# KiCad board rcbus-ymf262-panel.kicad_pcb (continued)
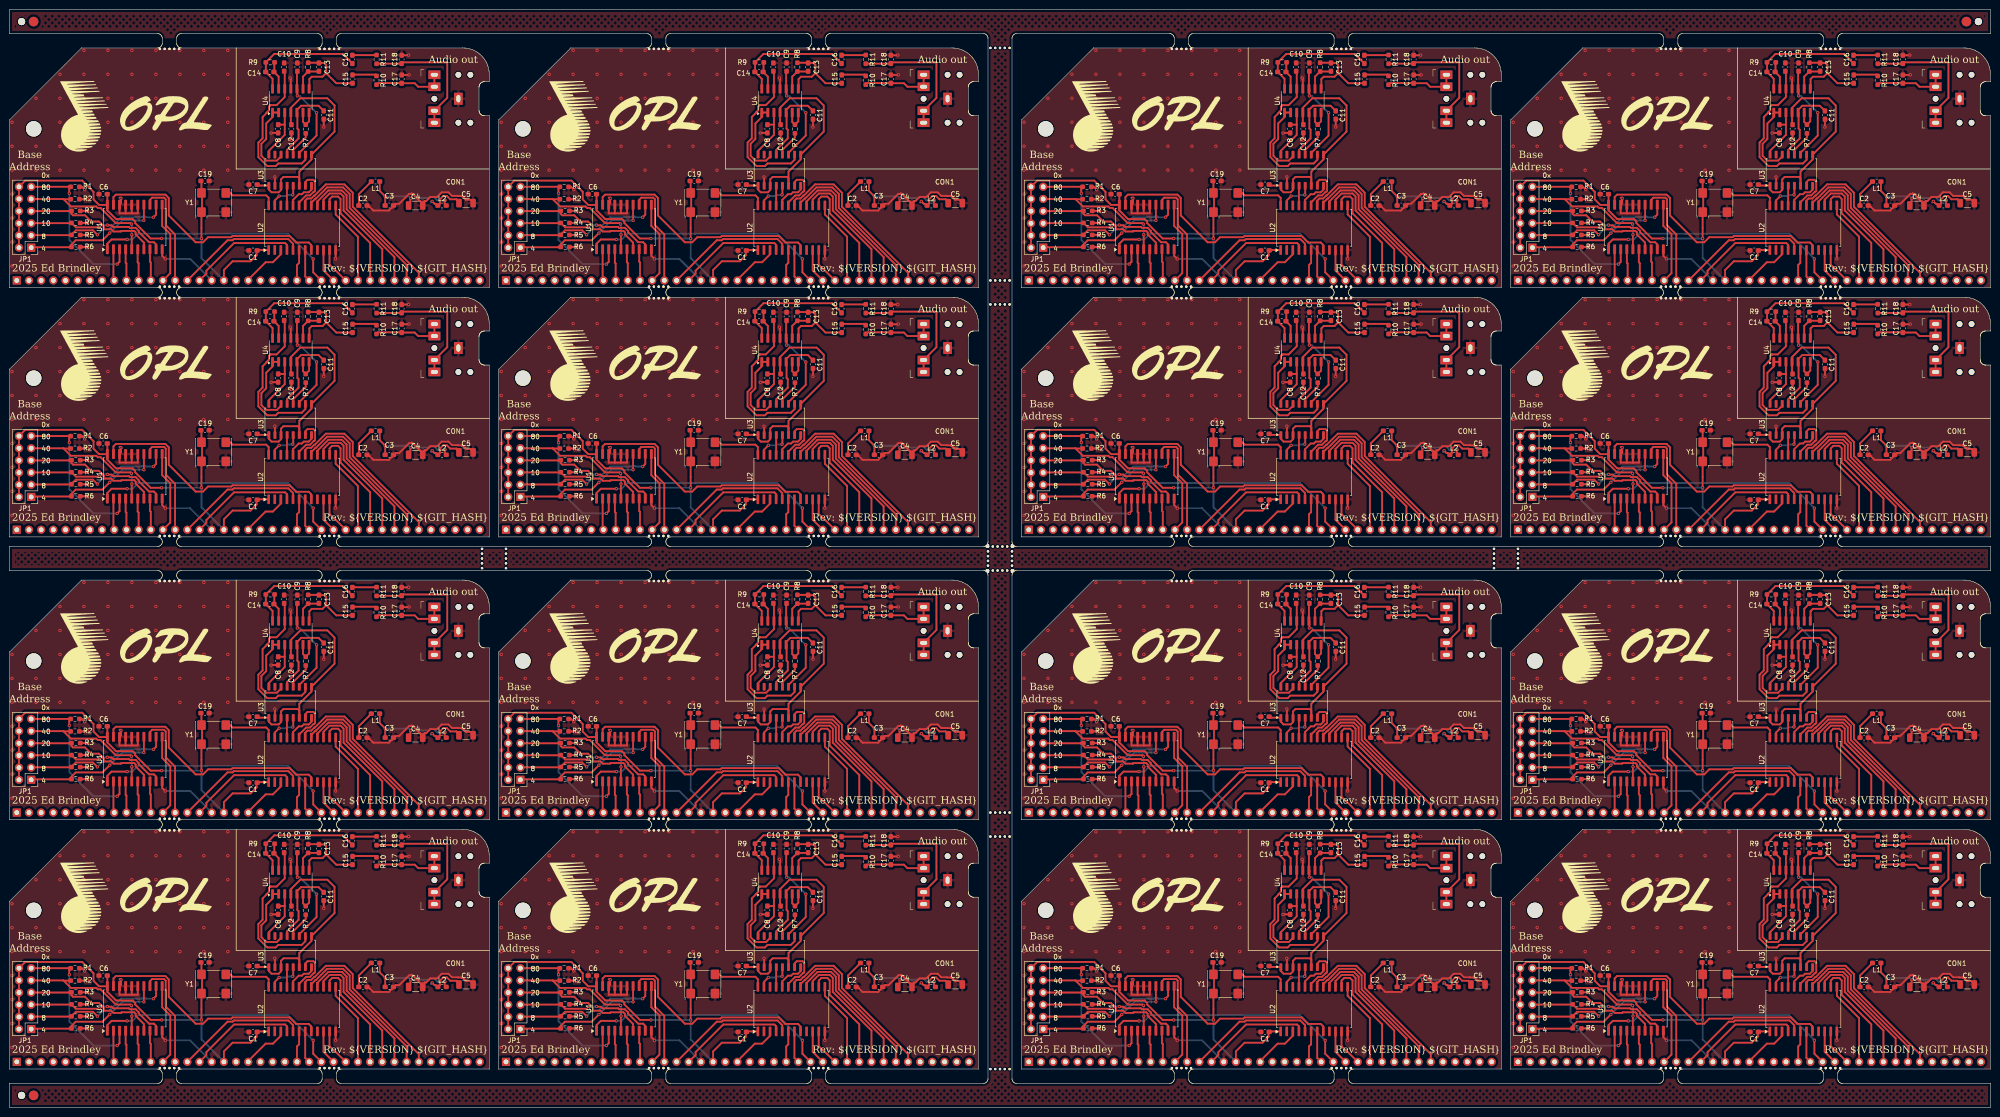
[diagram p0: board, top side]
## Routing (per net, layer and track width the routed paths; a pad name or vN(x,y) marks a point on that pad's centre or on a via; arc(x,y) is an arc through that point) (continued)
Board_13-/AUDIO_CH2: length 20.9
  Front w0.381: v1(166,44.5) 166,39.72 162.4,36.13 U3#8.11 ; C9#10.1 161.91,53.05 U4#8.10 162,49.38 v1(162,48)
  Back w0.381: v1(166,44.5) 162.5,48 v1(162,48)
Board_13-/CLK: length 10.9
  Front w0.381: 147.38,28.35 148.48,27.25 155.5,27.25 156.01,26.74 U2#2.24
Board_13-/D0: length 7.2
  Front w0.381: U2#2.10 167.45,11.6 P1#8.27
Board_13-/D1: length 7.8
  Front w0.381: 168.7,15.84 168.7,12.79 169.67,11.81 169.77,11.81 P1#8.28
Board_13-/D2: length 17.6
  Front w0.381: P1#8.29 174.62,18.63 169.99,23.27 U2#2.13
Board_13-/D3: length 23.6
  Front w0.381: U2#2.14 168.72,26.47 169.25,27 170.5,27 171,26.5 171,23.5 177.16,17.34 P1#8.30
Board_13-/D4: length 27
  Front w0.381: P1#8.31 179.7,16.03 171.63,24.1 171.63,27.01 171.01,27.64 168.73,27.64 167.45,26.35 U2#2.15
Board_13-/D5: length 30.2
  Front w0.381: U2#2.16 166.17,25.98 168.46,28.27 171.28,28.27 172.27,27.28 172.27,24.36 182.24,14.39 P1#8.32
Board_13-/D6: length 33.4
  Front w0.381: U2#2.17 164.9,25.71 165.79,26.6 165.89,26.6 168.2,28.91 171.54,28.91 172.91,27.54 172.91,24.62 184.78,12.75 P1#8.33
Board_13-/D7: length 37
  Front w0.381: P1#8.34 187.32,11.11 173.54,24.89 173.54,27.8 171.8,29.54 167.94,29.54 165.63,27.23 165.52,27.23 164.89,26.6 164.08,26.6 163.63,26.15 U2#2.18
Board_13-/DAC_CLK: length 7.2
  Front w0.381: v1(158.2,27.1) 157.28,26.19 U2#2.23 ; v1(161.04,27.36) 161.13,27.45 U3#8.5
  Back w0.381: v1(158.2,27.1) 159.73,27.1 159.93,27.3 160.98,27.3 v1(161.04,27.36)
Board_13-/DOAB: length 4.1
  Front w0.381: U3#8.4 159.83,29.21 U2#2.21
Board_13-/L: length 18.1
  Front w0.381: 168,52.75 168,54.5 167.64,54.86 C13#15.1 166.45,54.91 R8#6.2 ; 168,52.75 170.11,50.64 C15#4.1 ; 168,52.75 167.25,52 165,52 164.5,51.5 164.5,49.53 U4#8.8
Board_13-/R: length 25.7
  Front w0.381: U4#8.14 156.83,51.56 C14#16.2 155.42,53.04 R9#9.2 157.17,56.75 171.46,56.75 C16#2.1
Board_13-/SMPAC: length 6.7
  Front w0.381: U2#2.20 161.1,26.3 162.28,27.49 162.94,27.49 163.34,27.89 164.38,27.89 164.95,28.45 U3#8.8
Board_13-/SMPBD: length 10.1
  Front w0.381: U3#8.7 163.67,30.05 164.12,30.5 165.35,30.5 165.69,30.15 165.69,28.2 165.5,28 165.4,28 164.63,27.23 163.82,27.23 162.37,25.78 U2#2.19
Board_13-/~{CS}: length 51.7
  Front w0.381: U2#2.8 164.9,16.9 164.38,17.42 161.73,17.42 160.38,18.77 148.47,18.77 148.22,18.52 143.38,18.52 142.33,17.46 140.79,17.46 135.19,23.06 135.19,26.69 134.47,27.41 124.15,27.41 123.65,26.9 U1#11.19
Board_13-/~{IORQ}: length 52.4
  Front w0.381: v1(126.5,18.05) 123.26,18.05 122.38,17.17 U1#11.1 ; v1(165.3,14) 165.3,11.2 P1#8.26
  Back w0.381: v1(165.3,14) 160.05,19.25 139.11,19.25 139.08,19.21 138.42,19.21 138.39,19.25 128.8,19.25 127.6,18.05 v1(126.5,18.05)
Board_13-/~{RD}: length 6.7
  Front w0.381: P1#8.25 163.63,10.33 U2#2.7
Board_13-/~{RESET}: length 9.8
  Front w0.381: 151.76,9.68 155.39,13.3 156.9,13.3 158.55,14.96 158.55,15.74 158.5,15.8
Board_13-/~{WR}: length 6.5
  Front w0.381: P1#8.24 161.92,12.72 162.37,13.17 U2#2.6
Board_13-GND: length 76.5
  Front w0.381: R2#12.2 118.14,26.44 v1(118.2,26.5) ; 127.5,23.5 127.46,23.54 U1#11.16 ; 127.5,23.5 128.73,23.5 128.73,24.84 ; 127.5,23.5 126.2,23.5 ; v1(160.5,51.75) 160.64,51.61 U4#8.11 ; R3#9.2 118.19,24.01 v1(118.2,24) ; v1(185.3,52.4) 185.26,52.36 C17#3.2 ; U3#8.2 157.33,31.08 v1(157.3,31.1) ; v1(134.46,14) 133.81,14.64 U1#11.10 ; U2#2.12 v1(169.99,14) ; R1#10.2 117.06,29.03 v1(117.64,28.44) ; C5#11.2 198.08,26.33 197.13,26.33 196.43,27.03 196.42,27.03 196.39,27.06 196.38,27.06 196.35,27.09 196.31,27.09 196.3,27.1 196.26,27.1 196.25,27.11 195.49,27.11 195.45,27.14 194.23,27.14 193.49,27.88 192.1,27.88 191.13,26.91 189.72,26.91 188.87,26.06 188.54,26.06 188.52,26.03 188.52,26.02 C4#13.2 187.68,25.99 187.66,26.01 187.58,26.01 186.04,27.55 185.94,27.55 185.81,27.67 185.68,27.55 185.28,27.55 183.24,25.51 182.53,25.51 182.52,25.5 C3#4.2 181.68,24.67 181.68,24.66 181.11,24.09 177.83,24.09 177.07,24.85 177.06,24.85 C2#11.2 ; v1(156.5,40.25) 156.52,40.28 C8#13.2 ; U1#11.17 126.19,23.51 126.2,23.5 ; v1(185.2,56.51) 185.16,56.48 C18#16.2 ; 126.2,23.5 124.92,23.5 124.92,24.71 ; R6#15.2 118.18,16.48 v1(118.2,16.5) ; v1(118.2,19) 118.19,18.99 R5#7.2 ; C11#11.2 v1(167.5,41.5) ; R4#11.2 v1(118.2,21.5) ; 124.92,26.77 125.23,26.77 v1(125.23,26.62) 125.23,25.61 U1#11.18 ; C12#15.2 v1(160.75,38.75) ; 144.67,9.5 P1#8.17
  Back w0.381: P1#8.17 139.64,14 v1(134.46,14)
  vias: v1(102.5,42.5) v1(102.5,37.5) v1(102.5,32.5) v1(102.5,27.5) v1(102.5,22.5) v1(102.5,17.5) v1(102.5,12.5) v1(107.5,47.5) v1(107.5,37.5) v1(107.5,32.5) v1(112.5,52.5) v1(112.5,47.5) v1(112.5,42.5) v1(112.5,37.5) v1(112.5,32.5) v1(117.5,57.5) v1(117.5,52.5) v1(117.5,47.5) v1(117.5,42.5) v1(117.5,37.5) v1(117.5,32.5) v1(122.5,57.5) v1(122.5,52.5) v1(122.5,47.5) v1(122.5,42.5) v1(122.5,37.5) v1(122.5,32.5) v1(127.5,57.5) v1(127.5,52.5) v1(127.5,47.5) v1(127.5,42.5) v1(127.5,37.5) v1(127.5,32.5) v1(132.5,57.5) v1(132.5,52.5) v1(132.5,47.5) v1(132.5,42.5) v1(132.5,37.5) v1(132.5,32.5) v1(137.5,57.5) v1(137.5,52.5) v1(137.5,47.5) v1(137.5,42.5) v1(137.5,37.5) v1(137.5,32.5) v1(142.5,57.5) v1(142.5,52.5) v1(142.5,47.5) v1(142.5,42.5) v1(142.5,37.5) v1(142.5,32.5) v1(147.5,57.5) v1(147.5,52.5) v1(147.5,47.5) v1(147.5,42.5) v1(147.5,37.5) v1(147.5,32.5)
Board_13-Net-(C3-Pad1): length 21.1
  Front w0.381: L2#2.2 192.71,25.6 192.71,26.12 v1(192.79,26.21) ; 180.41,25.42 180.32,25.52 v1(180.32,27.03) 179.17,28.18 L1#13.1 ; v1(185.66,26.63) 185.57,26.54 185.57,26.02 C4#13.1
  Back w0.381: v1(192.79,26.21) 191.18,26.21 190.47,26.91 189.72,26.91 189.44,26.63 v1(185.66,26.63) 185.26,27.03 v1(180.32,27.03)
Board_13-Net-(C15-Pad2): length 5.1
  Front w0.381: R10#7.1 178.22,52.44 173.58,52.44 C15#4.2
Board_13-Net-(C16-Pad2): length 4.5
  Front w0.381: 178.23,56.5 173.75,56.5
Board_13-Net-(C17-Pad1): length 15
  Front w0.381: 178.5,50.34 178.84,50.68 183.5,50.68 183.54,50.64 C17#3.1 186.46,50.64 187.2,49.91 CON1#9.TN CON1#9.T
Board_13-Net-(C18-Pad1): length 28
  Front w0.381: C18#16.1 183.99,55 193.25,55 193.25,47.59 CON1#9.RN CON1#9.R ; 183.45,54.73 178.8,54.73
Board_13-Net-(JP1-Pin_1): length 28.7
  Front w0.381: U1#11.14 v1(130,22.03) ; v1(122.87,19.38) 121.36,17.88 115.78,17.88 114.9,17 R6#15.1 114.6,16.43 107.16,16.43
  Back w0.381: v1(130,22.03) 127.94,22.03 127.92,22.05 125.53,22.05 v1(122.87,19.38)
Board_13-Net-(JP1-Pin_3): length 30.8
  Front w0.381: JP1#12.3 106.56,18.94 114.6,18.94 R5#7.1 115.28,19.42 115.8,19.95 119.39,19.95 v1(120.31,19.03) ; v1(132,22.68) 132.54,23.22 U1#11.12
  Back w0.381: v1(120.31,19.03) 121.45,20.17 122.76,20.17 125.27,22.68 129.54,22.68 129.67,22.81 130.33,22.81 130.46,22.68 v1(132,22.68)
Board_13-Net-(JP1-Pin_5): length 29.4
  Front w0.381: v1(120.68,20.62) 120.64,20.58 115.82,20.58 R4#11.1 114.6,21.45 106.53,21.45 JP1#12.5 ; U1#11.9 132.54,17.03 132.09,17.47 131.08,17.47 128.92,19.63 128.92,19.84 128.29,20.47 127.07,20.47 126.87,20.67 123.59,20.67 123.26,21 122.42,21 v1(122.37,21.05)
  Back w0.381: v1(120.68,20.62) 121.1,21.05 v1(122.37,21.05)
Board_13-Net-(JP1-Pin_7): length 28.1
  Front w0.381: JP1#12.7 114.33,23.96 114.33,23.96 114.6,23.96 R3#9.1 114.9,23.4 115.21,23.09 117.72,23.09 119.02,21.79 120.62,21.79 121.63,20.78 121.63,20.25 121.71,20.17 123.19,20.17 123.65,19.71 125.21,19.71 125.34,19.84 127.99,19.84 128.29,19.54 128.29,19.11 130,17.4 130,16.6
Board_13-Net-(JP1-Pin_9): length 29.9
  Front w0.381: 106.51,26.49 113.22,26.49 ; 113.22,26.49 113.27,26.44 R2#12.1 ; 113.22,26.49 114.77,24.93 120.08,24.93 120.38,24.63 120.97,24.63 124.14,21.46 127.2,21.46 v1(127.4,21.26) ; U1#11.5 127.46,19.03 v1(127.48,19.05)
  Back w0.381: v1(127.4,21.26) 127.48,21.17 v1(127.48,19.05)
Board_13-Net-(JP1-Pin_11): length 34.5
  Front w0.381: v1(114.46,27.69) 114.43,27.71 114.43,28.56 R1#10.1 ; 114.43,29.04 JP1#12.11 ; v1(124.44,12.9) 124.92,13.38 U1#11.3
  Back w0.381: v1(124.44,12.9) 119.49,12.9 114.46,17.93 v1(114.46,27.69)
Board_13-Net-(U3-AOUT): length 16.9
  Front w0.381: C11#11.1 166.42,45.95 162.78,45.95 161.91,45.08 U4#8.5 162,44.43 162,41.19 162.25,40.94 162.25,39.14 159.87,36.75 U3#8.13
Board_13-Net-(U3-CV): length 11.5
  Front w0.381: U3#8.16 156.05,36.55 159.37,39.86 159.37,42 ; C8#13.1 159.37,42 ; 159.37,42 U4#8.3
Board_13-Net-(U3-MP): length 16.3
  Front w0.381: 156.94,44.53 157.99,44.53 ; U4#8.1 156.83,43.58 155.5,42.25 155.5,39 154.5,38 154.5,35.5 155.5,34.51 157.73,34.51 158.6,35.37 U3#8.14
Board_13-Net-(U3-SWIN): length 5.5
  Front w0.381: R7#10.1 163.75,39.34 161.13,36.72 U3#8.12
Board_13-Net-(U4B--): length 5.6
  Front w0.381: U4#8.6 163.18,42.57 R7#10.2 164.45,42.7 U4#8.7
Board_13-Net-(U4C--): length 6.3
  Front w0.381: C13#15.2 166.45,53.09 R8#6.1 163.18,52.02 U4#8.9
Board_13-Net-(U4D--): length 6
  Front w0.381: R9#9.1 157.2,54.72 157.2,53.08 C14#16.1 158.1,52.02 U4#8.13
Board_13-VCC: length 103.5
  Front w0.381: Y1#8.4 142,30.14 C19#5.1 ; U2#2.1 153.71,15.85 C1#8.1 153.5,15.75 153.5,14.75 152.25,13.5 148.5,13.5 146.68,11.68 P1#8.18 ; v1(133.71,18.25) 131.41,18.25 128.18,21.48 128.18,21.79 127.66,22.31 124.19,22.31 122.38,24.12 U1#11.20 122.38,27.48 C6#12.1 ; v1(142,18.25) 142,23.03 142.12,23.15 142.12,28.35 ; C2#11.1 174.82,25.15 174.82,27.52 177,29.7 L1#13.2 ; JP1#12.2 JP1#12.12 105.26,30.34 117.14,30.34 119.5,27.98 119.5,26.41 120.65,25.26 122.33,25.26
  Back w0.381: P1#8.18 142,14.18 v1(142,18.25) v1(133.71,18.25)
Board_14-+5VA: length 56.5
  Front w0.381: C7#11.1 262.81,29.3 265,29.3 U3#16.1 265.05,28.45 265.62,27.89 267.1,27.89 267.6,28.38 U3#16.3 267.6,30.6 268.1,31.1 271.11,31.1 271.4,30.8 U3#16.6 271.4,32.21 273.95,34.75 U3#16.9 278.75,40.56 278.75,46 277.25,47.5 271.61,47.5 269.64,45.52 U4#13.4 269.64,42.11 C12#10.1 ; v1(299.1,26) 299.59,25.5 299.81,25.5 L2#7.1 300.71,25.56 300.72,25.57 300.72,26.42 301.42,27.12 302.17,27.12 302.87,26.43 304.16,26.43 304.16,26.42 C5#14.1
  Back w0.381: v1(299.1,26) 298.82,25.72
Board_14-/A0: length 23
  Front w0.381: P1#6.16 252.02,10.92 252.02,11.52 257.8,17.3 268.45,17.3 268.83,16.93 U2#9.4
Board_14-/A1: length 27.3
  Front w0.381: U2#9.5 270.1,17.16 269.12,18.14 257.74,18.14 257.49,17.89 256.45,17.89 P1#6.15
Board_14-/A2: length 22.4
  Front w0.381: U1.13 240.27,26.33 240.72,26.77 243.21,26.77 243.56,26.43 243.56,21.04 245.5,19.09 245.5,9.52 P1#6.14
Board_14-/A3: length 17.1
  Front w0.381: P1#6.13 244.5,11.02 244.5,19.19 242.8,20.89 242.8,25.29
Board_14-/A4: length 6.6
  Front w0.381: P1#6.12 240.44,13.26 240.27,13.43 240.27,15.94 240.3,15.97
Board_14-/A5: length 6.6
  Front w0.381: 237.7,15.97 237.7,13.3 237.9,13.1 P1#6.11
Board_14-/A6: length 6.6
  Front w0.381: P1#6.10 235.36,13.04 235.2,13.2 235.2,15.99
Board_14-/A7: length 6.6
  Front w0.381: U1.2 232.65,9.67 P1#6.9
Board_14-/AUDIO_CH1: length 33.2
  Front w0.381: C10#16.1 268.37,53.02 U4#13.12 268.37,47.77 266.67,46.07 265.44,46.07 265.44,46.07 265.41,46.07 265.41,46.06 265.38,46.06 265.37,46.05 265.36,46.05 265.34,46.03 265.33,46.03 265.08,45.78 265.08,45 264.6,44.52 264.6,44.48 264.59,44.47 264.59,44.44 263.75,43.59 263.75,39.15 262.87,38.26 262.87,35.24 264.74,33.37 266.48,33.37 267.02,33.9 271.9,33.9 272.67,34.68 U3#16.10
Board_14-/AUDIO_CH2: length 20.9
  Front w0.381: v1(275,44.5) 275,39.72 271.4,36.13 U3#16.11 ; v1(271,48) 271,49.38 U4#13.10 270.91,53.05 C9#11.1
  Back w0.381: v1(275,44.5) 271.5,48 v1(271,48)
Board_14-/CLK: length 10.9
  Front w0.381: U2#9.24 265.01,26.74 264.5,27.25 257.48,27.25 256.38,28.35
Board_14-/D0: length 7.2
  Front w0.381: U2#9.10 276.45,11.6 P1#6.27
Board_14-/D1: length 7.8
  Front w0.381: P1#6.28 278.77,11.81 278.67,11.81 277.7,12.79 277.7,15.84
Board_14-/D2: length 17.6
  Front w0.381: U2#9.13 278.99,23.27 283.62,18.63 P1#6.29
Board_14-/D3: length 23.6
  Front w0.381: P1#6.30 286.16,17.34 280,23.5 280,26.5 279.5,27 278.25,27 277.72,26.47 U2#9.14
Board_14-/D4: length 27
  Front w0.381: U2#9.15 276.45,26.35 277.73,27.64 280.01,27.64 280.63,27.01 280.63,24.1 288.7,16.03 P1#6.31
Board_14-/D5: length 30.2
  Front w0.381: P1#6.32 291.24,14.39 281.27,24.36 281.27,27.28 280.28,28.27 277.46,28.27 275.17,25.98 U2#9.16
Board_14-/D6: length 33.4
  Front w0.381: U2#9.17 273.9,25.71 274.79,26.6 274.89,26.6 277.2,28.91 280.54,28.91 281.91,27.54 281.91,24.62 293.78,12.75 P1#6.33
Board_14-/D7: length 37
  Front w0.381: P1#6.34 296.32,11.11 282.54,24.89 282.54,27.8 280.8,29.54 276.94,29.54 274.63,27.23 274.52,27.23 273.89,26.6 273.08,26.6 272.63,26.15 U2#9.18
Board_14-/DAC_CLK: length 7.2
  Front w0.381: v1(270.04,27.36) 270.13,27.45 U3#16.5 ; U2#9.23 266.28,26.19 v1(267.2,27.1)
  Back w0.381: v1(267.2,27.1) 268.73,27.1 268.93,27.3 269.98,27.3 v1(270.04,27.36)
Board_14-/DOAB: length 4.1
  Front w0.381: U3#16.4 268.83,29.21 U2#9.21
Board_14-/L: length 18.1
  Front w0.381: 277,52.75 276.25,52 274,52 273.5,51.5 273.5,49.53 U4#13.8 ; 277,52.75 277,54.5 276.64,54.86 C13#10.1 275.45,54.91 R8.2 ; 277,52.75 279.11,50.64 C15#3.1
Board_14-/R: length 25.7
  Front w0.381: U4#13.14 265.83,51.56 C14#15.2 264.42,53.04 R9#7.2 266.17,56.75 280.46,56.75 C16#9.1
Board_14-/SMPAC: length 6.7
  Front w0.381: U2#9.20 270.1,26.3 271.28,27.49 271.94,27.49 272.34,27.89 273.38,27.89 273.95,28.45 U3#16.8
Board_14-/SMPBD: length 10.1
  Front w0.381: U3#16.7 272.67,30.05 273.12,30.5 274.35,30.5 274.69,30.15 274.69,28.2 274.5,28 274.4,28 273.63,27.23 272.82,27.23 271.37,25.78 U2#9.19
Board_14-/~{CS}: length 51.7
  Front w0.381: U2#9.8 273.9,16.9 273.38,17.42 270.73,17.42 269.38,18.77 257.47,18.77 257.22,18.52 252.38,18.52 251.33,17.46 249.79,17.46 244.19,23.06 244.19,26.69 243.47,27.41 233.15,27.41 232.65,26.9 U1.19
Board_14-/~{IORQ}: length 52.4
  Front w0.381: U1.1 231.38,17.17 232.26,18.05 v1(235.5,18.05) ; v1(274.3,14) 274.3,11.2 P1#6.26
  Back w0.381: v1(274.3,14) 269.05,19.25 248.11,19.25 248.08,19.21 247.42,19.21 247.39,19.25 237.8,19.25 236.6,18.05 v1(235.5,18.05)
Board_14-/~{RD}: length 6.7
  Front w0.381: U2#9.7 272.63,10.33 P1#6.25
Board_14-/~{RESET}: length 9.8
  Front w0.381: 260.76,9.68 264.39,13.3 265.9,13.3 267.55,14.96 267.55,15.74 267.5,15.8
Board_14-/~{WR}: length 6.5
  Front w0.381: P1#6.24 270.92,12.72 271.37,13.17 U2#9.6
Board_14-GND: length 76.5
  Front w0.381: C8#7.2 265.52,40.28 v1(265.5,40.25) ; 237.73,24.84 237.73,23.5 236.5,23.5 ; v1(227.2,19) 227.19,18.99 R5#10.2 ; 235.2,23.5 235.19,23.51 U1.17 ; 235.2,23.5 236.5,23.5 ; 235.2,23.5 233.92,23.5 233.92,24.71 ; U3#16.2 266.33,31.08 v1(266.3,31.1) ; R2#3.2 227.14,26.44 v1(227.2,26.5) ; v1(226.64,28.44) 226.06,29.03 R1#8.2 ; C18#15.2 294.16,56.48 v1(294.2,56.51) ; U4#13.11 269.64,51.61 v1(269.5,51.75) ; U1.18 234.23,25.61 v1(234.23,26.62) 234.23,26.77 233.92,26.77 ; R3#8.2 227.19,24.01 v1(227.2,24) ; 253.67,9.5 P1#6.17 ; v1(294.3,52.4) 294.26,52.36 C17#2.2 ; U1.16 236.46,23.54 236.5,23.5 ; v1(227.2,16.5) 227.18,16.48 R6#8.2 ; v1(243.46,14) 242.81,14.64 U1.10 ; C11#2.2 v1(276.5,41.5) ; C2#16.2 286.06,24.85 286.07,24.85 286.83,24.09 290.11,24.09 290.68,24.66 290.68,24.67 C3#14.2 291.52,25.5 291.53,25.51 292.24,25.51 294.28,27.55 294.68,27.55 294.81,27.67 294.94,27.55 295.04,27.55 296.58,26.01 296.66,26.01 296.68,25.99 C4#16.2 297.52,26.02 297.52,26.03 297.54,26.06 297.87,26.06 298.72,26.91 300.13,26.91 301.1,27.88 302.49,27.88 303.23,27.14 304.45,27.14 304.49,27.11 305.25,27.11 305.26,27.1 305.3,27.1 305.31,27.09 305.35,27.09 305.38,27.06 305.39,27.06 305.42,27.03 305.43,27.03 306.13,26.33 307.08,26.33 C5#14.2 ; U2#9.12 v1(278.99,14) ; R4#3.2 v1(227.2,21.5) ; C12#10.2 v1(269.75,38.75)
  Back w0.381: v1(243.46,14) 248.64,14 P1#6.17
  vias: v1(211.5,42.5) v1(211.5,37.5) v1(211.5,32.5) v1(211.5,27.5) v1(211.5,22.5) v1(211.5,17.5) v1(211.5,12.5) v1(216.5,47.5) v1(216.5,37.5) v1(216.5,32.5) v1(221.5,52.5) v1(221.5,47.5) v1(221.5,42.5) v1(221.5,37.5) v1(221.5,32.5) v1(226.5,57.5) v1(226.5,52.5) v1(226.5,47.5) v1(226.5,42.5) v1(226.5,37.5) v1(226.5,32.5) v1(231.5,57.5) v1(231.5,52.5) v1(231.5,47.5) v1(231.5,42.5) v1(231.5,37.5) v1(231.5,32.5) v1(236.5,57.5) v1(236.5,52.5) v1(236.5,47.5) v1(236.5,42.5) v1(236.5,37.5) v1(236.5,32.5) v1(241.5,57.5) v1(241.5,52.5) v1(241.5,47.5) v1(241.5,42.5) v1(241.5,37.5) v1(241.5,32.5) v1(246.5,57.5) v1(246.5,52.5) v1(246.5,47.5) v1(246.5,42.5) v1(246.5,37.5) v1(246.5,32.5) v1(251.5,57.5) v1(251.5,52.5) v1(251.5,47.5) v1(251.5,42.5) v1(251.5,37.5) v1(251.5,32.5) v1(256.5,57.5) v1(256.5,52.5) v1(256.5,47.5) v1(256.5,42.5) v1(256.5,37.5) v1(256.5,32.5)
Board_14-Net-(C3-Pad1): length 21.1
  Front w0.381: L2#7.2 301.71,25.6 301.71,26.12 v1(301.79,26.21) ; L1#12.1 288.17,28.18 v1(289.32,27.03) 289.32,25.52 289.41,25.42 ; v1(294.66,26.63) 294.57,26.54 294.57,26.02 C4#16.1
  Back w0.381: v1(289.32,27.03) 294.26,27.03 v1(294.66,26.63) 298.44,26.63 298.72,26.91 299.47,26.91 300.18,26.21 v1(301.79,26.21)
Board_14-Net-(C15-Pad2): length 5.1
  Front w0.381: C15#3.2 282.58,52.44 287.22,52.44 R10#6.1
Board_14-Net-(C16-Pad2): length 4.5
  Front w0.381: 287.23,56.5 282.75,56.5
Board_14-Net-(C17-Pad1): length 15
  Front w0.381: 287.5,50.34 287.84,50.68 292.5,50.68 292.54,50.64 C17#2.1 295.46,50.64 296.2,49.91 CON1#8.TN CON1#8.T
Board_14-Net-(C18-Pad1): length 28
  Front w0.381: 287.8,54.73 292.45,54.73 ; C18#15.1 292.99,55 302.25,55 302.25,47.59 CON1#8.RN CON1#8.R
Board_14-Net-(JP1-Pin_1): length 28.7
  Front w0.381: v1(231.87,19.38) 230.36,17.88 224.78,17.88 223.9,17 R6#8.1 223.6,16.43 216.16,16.43 ; U1.14 v1(239,22.03)
  Back w0.381: v1(239,22.03) 236.94,22.03 236.92,22.05 234.53,22.05 v1(231.87,19.38)
Board_14-Net-(JP1-Pin_3): length 30.8
  Front w0.381: v1(241,22.68) 241.54,23.22 U1.12 ; v1(229.31,19.03) 228.39,19.95 224.8,19.95 224.28,19.42 R5#10.1 223.6,18.94 215.56,18.94 JP1#16.3
  Back w0.381: v1(229.31,19.03) 230.45,20.17 231.76,20.17 234.27,22.68 238.54,22.68 238.67,22.81 239.33,22.81 239.46,22.68 v1(241,22.68)
Board_14-Net-(JP1-Pin_5): length 29.4
  Front w0.381: v1(231.37,21.05) 231.42,21 232.26,21 232.59,20.67 235.87,20.67 236.07,20.47 237.29,20.47 237.92,19.84 237.92,19.63 240.08,17.47 241.09,17.47 241.54,17.03 U1.9 ; JP1#16.5 215.53,21.45 223.6,21.45 R4#3.1 224.82,20.58 229.64,20.58 v1(229.68,20.62)
  Back w0.381: v1(231.37,21.05) 230.1,21.05 v1(229.68,20.62)
Board_14-Net-(JP1-Pin_7): length 28.1
  Front w0.381: 239,16.6 239,17.4 237.29,19.11 237.29,19.54 236.99,19.84 234.34,19.84 234.21,19.71 232.65,19.71 232.19,20.17 230.71,20.17 230.63,20.25 230.63,20.78 229.62,21.79 228.02,21.79 226.72,23.09 224.21,23.09 223.9,23.4 R3#8.1 223.6,23.96 223.33,23.96 223.33,23.96 JP1#16.7
Board_14-Net-(JP1-Pin_9): length 29.9
  Front w0.381: 215.51,26.49 222.22,26.49 ; 222.22,26.49 223.77,24.93 229.08,24.93 229.38,24.63 229.97,24.63 233.14,21.46 236.2,21.46 v1(236.4,21.26) ; 222.22,26.49 222.27,26.44 R2#3.1 ; v1(236.48,19.05) 236.46,19.03 U1.5
  Back w0.381: v1(236.4,21.26) 236.48,21.17 v1(236.48,19.05)
Board_14-Net-(JP1-Pin_11): length 34.5
  Front w0.381: 223.43,29.04 JP1#16.11 ; v1(223.46,27.69) 223.43,27.71 223.43,28.56 R1#8.1 ; U1.3 233.92,13.38 v1(233.44,12.9)
  Back w0.381: v1(233.44,12.9) 228.49,12.9 223.46,17.93 v1(223.46,27.69)
Board_14-Net-(U3-AOUT): length 16.9
  Front w0.381: U3#16.13 268.87,36.75 271.25,39.14 271.25,40.94 271,41.19 271,44.43 U4#13.5 270.91,45.08 271.78,45.95 275.42,45.95 C11#2.1
Board_14-Net-(U3-CV): length 11.5
  Front w0.381: C8#7.1 268.37,42 ; 268.37,42 268.37,39.86 265.05,36.55 U3#16.16 ; 268.37,42 U4#13.3
Board_14-Net-(U3-MP): length 16.3
  Front w0.381: U4#13.1 265.83,43.58 264.5,42.25 264.5,39 263.5,38 263.5,35.5 264.5,34.51 266.73,34.51 267.6,35.37 U3#16.14 ; 265.94,44.53 266.99,44.53
Board_14-Net-(U3-SWIN): length 5.5
  Front w0.381: U3#16.12 270.13,36.72 272.75,39.34 R7#16.1
Board_14-Net-(U4B--): length 5.6
  Front w0.381: U4#13.7 273.45,42.7 R7#16.2 272.18,42.57 U4#13.6
Board_14-Net-(U4C--): length 6.3
  Front w0.381: U4#13.9 272.18,52.02 R8.1 275.45,53.09 C13#10.2
Board_14-Net-(U4D--): length 6
  Front w0.381: R9#7.1 266.2,54.72 266.2,53.08 C14#15.1 267.1,52.02 U4#13.13
Board_14-VCC: length 103.5
  Front w0.381: v1(251,18.25) 251,23.03 251.12,23.15 251.12,28.35 ; 231.33,25.26 229.65,25.26 228.5,26.41 228.5,27.98 226.14,30.34 214.26,30.34 JP1#16.12 JP1#16.2 ; U2#9.1 262.71,15.85 C1#9.1 262.5,15.75 262.5,14.75 261.25,13.5 257.5,13.5 255.68,11.68 P1#6.18 ; C2#16.1 283.82,25.15 283.82,27.52 286,29.7 L1#12.2 ; Y1#12.4 251,30.14 C19#8.1 ; v1(242.71,18.25) 240.41,18.25 237.18,21.48 237.18,21.79 236.66,22.31 233.19,22.31 231.38,24.12 U1.20 231.38,27.48 C6#4.1
  Back w0.381: v1(242.71,18.25) v1(251,18.25) 251,14.18 P1#6.18
Board_15-+5VA: length 56.5
  Front w0.381: v1(401.1,26) 401.59,25.5 401.81,25.5 L2#12.1 402.71,25.56 402.72,25.57 402.72,26.42 403.42,27.12 404.17,27.12 404.87,26.43 406.16,26.43 406.16,26.42 C5#7.1 ; C12#5.1 371.64,42.11 U4#10.4 371.64,45.52 373.61,47.5 379.25,47.5 380.75,46 380.75,40.56 U3#2.9 375.95,34.75 373.4,32.21 U3#2.6 373.4,30.8 373.11,31.1 370.1,31.1 369.6,30.6 U3#2.3 369.6,28.38 369.1,27.89 367.62,27.89 367.05,28.45 U3#2.1 367,29.3 364.81,29.3 C7#7.1
  Back w0.381: v1(401.1,26) 400.82,25.72
Board_15-/A0: length 23
  Front w0.381: U2#12.4 370.83,16.93 370.45,17.3 359.8,17.3 354.02,11.52 354.02,10.92 P1#3.16
Board_15-/A1: length 27.3
  Front w0.381: U2#12.5 372.1,17.16 371.12,18.14 359.74,18.14 359.49,17.89 358.45,17.89 P1#3.15
Board_15-/A2: length 22.4
  Front w0.381: U1#6.13 342.27,26.33 342.72,26.77 345.21,26.77 345.56,26.43 345.56,21.04 347.5,19.09 347.5,9.52 P1#3.14
Board_15-/A3: length 17.1
  Front w0.381: P1#3.13 346.5,11.02 346.5,19.19 344.8,20.89 344.8,25.29
Board_15-/A4: length 6.6
  Front w0.381: P1#3.12 342.44,13.26 342.27,13.43 342.27,15.94 342.3,15.97
Board_15-/A5: length 6.6
  Front w0.381: P1#3.11 339.9,13.1 339.7,13.3 339.7,15.97
Board_15-/A6: length 6.6
  Front w0.381: P1#3.10 337.36,13.04 337.2,13.2 337.2,15.99
Board_15-/A7: length 6.6
  Front w0.381: P1#3.9 334.65,9.67 U1#6.2
Board_15-/AUDIO_CH1: length 33.2
  Front w0.381: U3#2.10 374.67,34.68 373.9,33.9 369.02,33.9 368.48,33.37 366.74,33.37 364.87,35.24 364.87,38.26 365.75,39.15 365.75,43.59 366.59,44.44 366.59,44.47 366.6,44.48 366.6,44.52 367.08,45 367.08,45.78 367.33,46.03 367.34,46.03 367.36,46.05 367.37,46.05 367.38,46.06 367.41,46.06 367.41,46.07 367.44,46.07 367.44,46.07 368.67,46.07 370.37,47.77 U4#10.12 370.37,53.02 C10#10.1
Board_15-/AUDIO_CH2: length 20.9
  Front w0.381: U3#2.11 373.4,36.13 377,39.72 v1(377,44.5) ; C9#16.1 372.91,53.05 U4#10.10 373,49.38 v1(373,48)
  Back w0.381: v1(373,48) 373.5,48 v1(377,44.5)
Board_15-/CLK: length 10.9
  Front w0.381: U2#12.24 367.01,26.74 366.5,27.25 359.48,27.25 358.38,28.35
Board_15-/D0: length 7.2
  Front w0.381: P1#3.27 378.45,11.6 U2#12.10
Board_15-/D1: length 7.8
  Front w0.381: 379.7,15.84 379.7,12.79 380.67,11.81 380.77,11.81 P1#3.28
Board_15-/D2: length 17.6
  Front w0.381: U2#12.13 380.99,23.27 385.62,18.63 P1#3.29
Board_15-/D3: length 23.6
  Front w0.381: P1#3.30 388.16,17.34 382,23.5 382,26.5 381.5,27 380.25,27 379.72,26.47 U2#12.14
Board_15-/D4: length 27
  Front w0.381: U2#12.15 378.45,26.35 379.73,27.64 382.01,27.64 382.63,27.01 382.63,24.1 390.7,16.03 P1#3.31
Board_15-/D5: length 30.2
  Front w0.381: P1#3.32 393.24,14.39 383.27,24.36 383.27,27.28 382.28,28.27 379.46,28.27 377.17,25.98 U2#12.16
Board_15-/D6: length 33.4
  Front w0.381: U2#12.17 375.9,25.71 376.79,26.6 376.89,26.6 379.2,28.91 382.54,28.91 383.91,27.54 383.91,24.62 395.78,12.75 P1#3.33
Board_15-/D7: length 37
  Front w0.381: P1#3.34 398.32,11.11 384.54,24.89 384.54,27.8 382.8,29.54 378.94,29.54 376.63,27.23 376.52,27.23 375.89,26.6 375.08,26.6 374.63,26.15 U2#12.18
Board_15-/DAC_CLK: length 7.2
  Front w0.381: U3#2.5 372.13,27.45 v1(372.04,27.36) ; U2#12.23 368.28,26.19 v1(369.2,27.1)
  Back w0.381: v1(369.2,27.1) 370.73,27.1 370.93,27.3 371.98,27.3 v1(372.04,27.36)
Board_15-/DOAB: length 4.1
  Front w0.381: U2#12.21 370.83,29.21 U3#2.4
Board_15-/L: length 18.1
  Front w0.381: 379,52.75 379,54.5 378.64,54.86 C13#2.1 377.45,54.91 R8#10.2 ; 379,52.75 378.25,52 376,52 375.5,51.5 375.5,49.53 U4#10.8 ; 379,52.75 381.11,50.64 C15#11.1
Board_15-/R: length 25.7
  Front w0.381: C16#14.1 382.46,56.75 368.17,56.75 R9#8.2 366.42,53.04 C14#14.2 367.83,51.56 U4#10.14
Board_15-/SMPAC: length 6.7
  Front w0.381: U3#2.8 375.95,28.45 375.38,27.89 374.34,27.89 373.94,27.49 373.28,27.49 372.1,26.3 U2#12.20
Board_15-/SMPBD: length 10.1
  Front w0.381: U2#12.19 373.37,25.78 374.82,27.23 375.63,27.23 376.4,28 376.5,28 376.69,28.2 376.69,30.15 376.35,30.5 375.12,30.5 374.67,30.05 U3#2.7
Board_15-/~{CS}: length 51.7
  Front w0.381: U2#12.8 375.9,16.9 375.38,17.42 372.73,17.42 371.38,18.77 359.47,18.77 359.22,18.52 354.38,18.52 353.33,17.46 351.79,17.46 346.19,23.06 346.19,26.69 345.47,27.41 335.15,27.41 334.65,26.9 U1#6.19
Board_15-/~{IORQ}: length 52.4
  Front w0.381: v1(376.3,14) 376.3,11.2 P1#3.26 ; U1#6.1 333.38,17.17 334.26,18.05 v1(337.5,18.05)
  Back w0.381: v1(376.3,14) 371.05,19.25 350.11,19.25 350.08,19.21 349.42,19.21 349.39,19.25 339.8,19.25 338.6,18.05 v1(337.5,18.05)
Board_15-/~{RD}: length 6.7
  Front w0.381: U2#12.7 374.63,10.33 P1#3.25
Board_15-/~{RESET}: length 9.8
  Front w0.381: 362.76,9.68 366.39,13.3 367.9,13.3 369.55,14.96 369.55,15.74 369.5,15.8
